# Altium PCB 8-8控制板.PcbDoc (part 2 of 5)
Units mm, origin at the board's own origin, x right, y up, seen from the top; angles counter-clockwise.
Board outline 201.71 x 160.33 mm, 2 copper layers (Top Layer, Bottom Layer); 240 components, 178 nets, 689 pads, 262 vias.
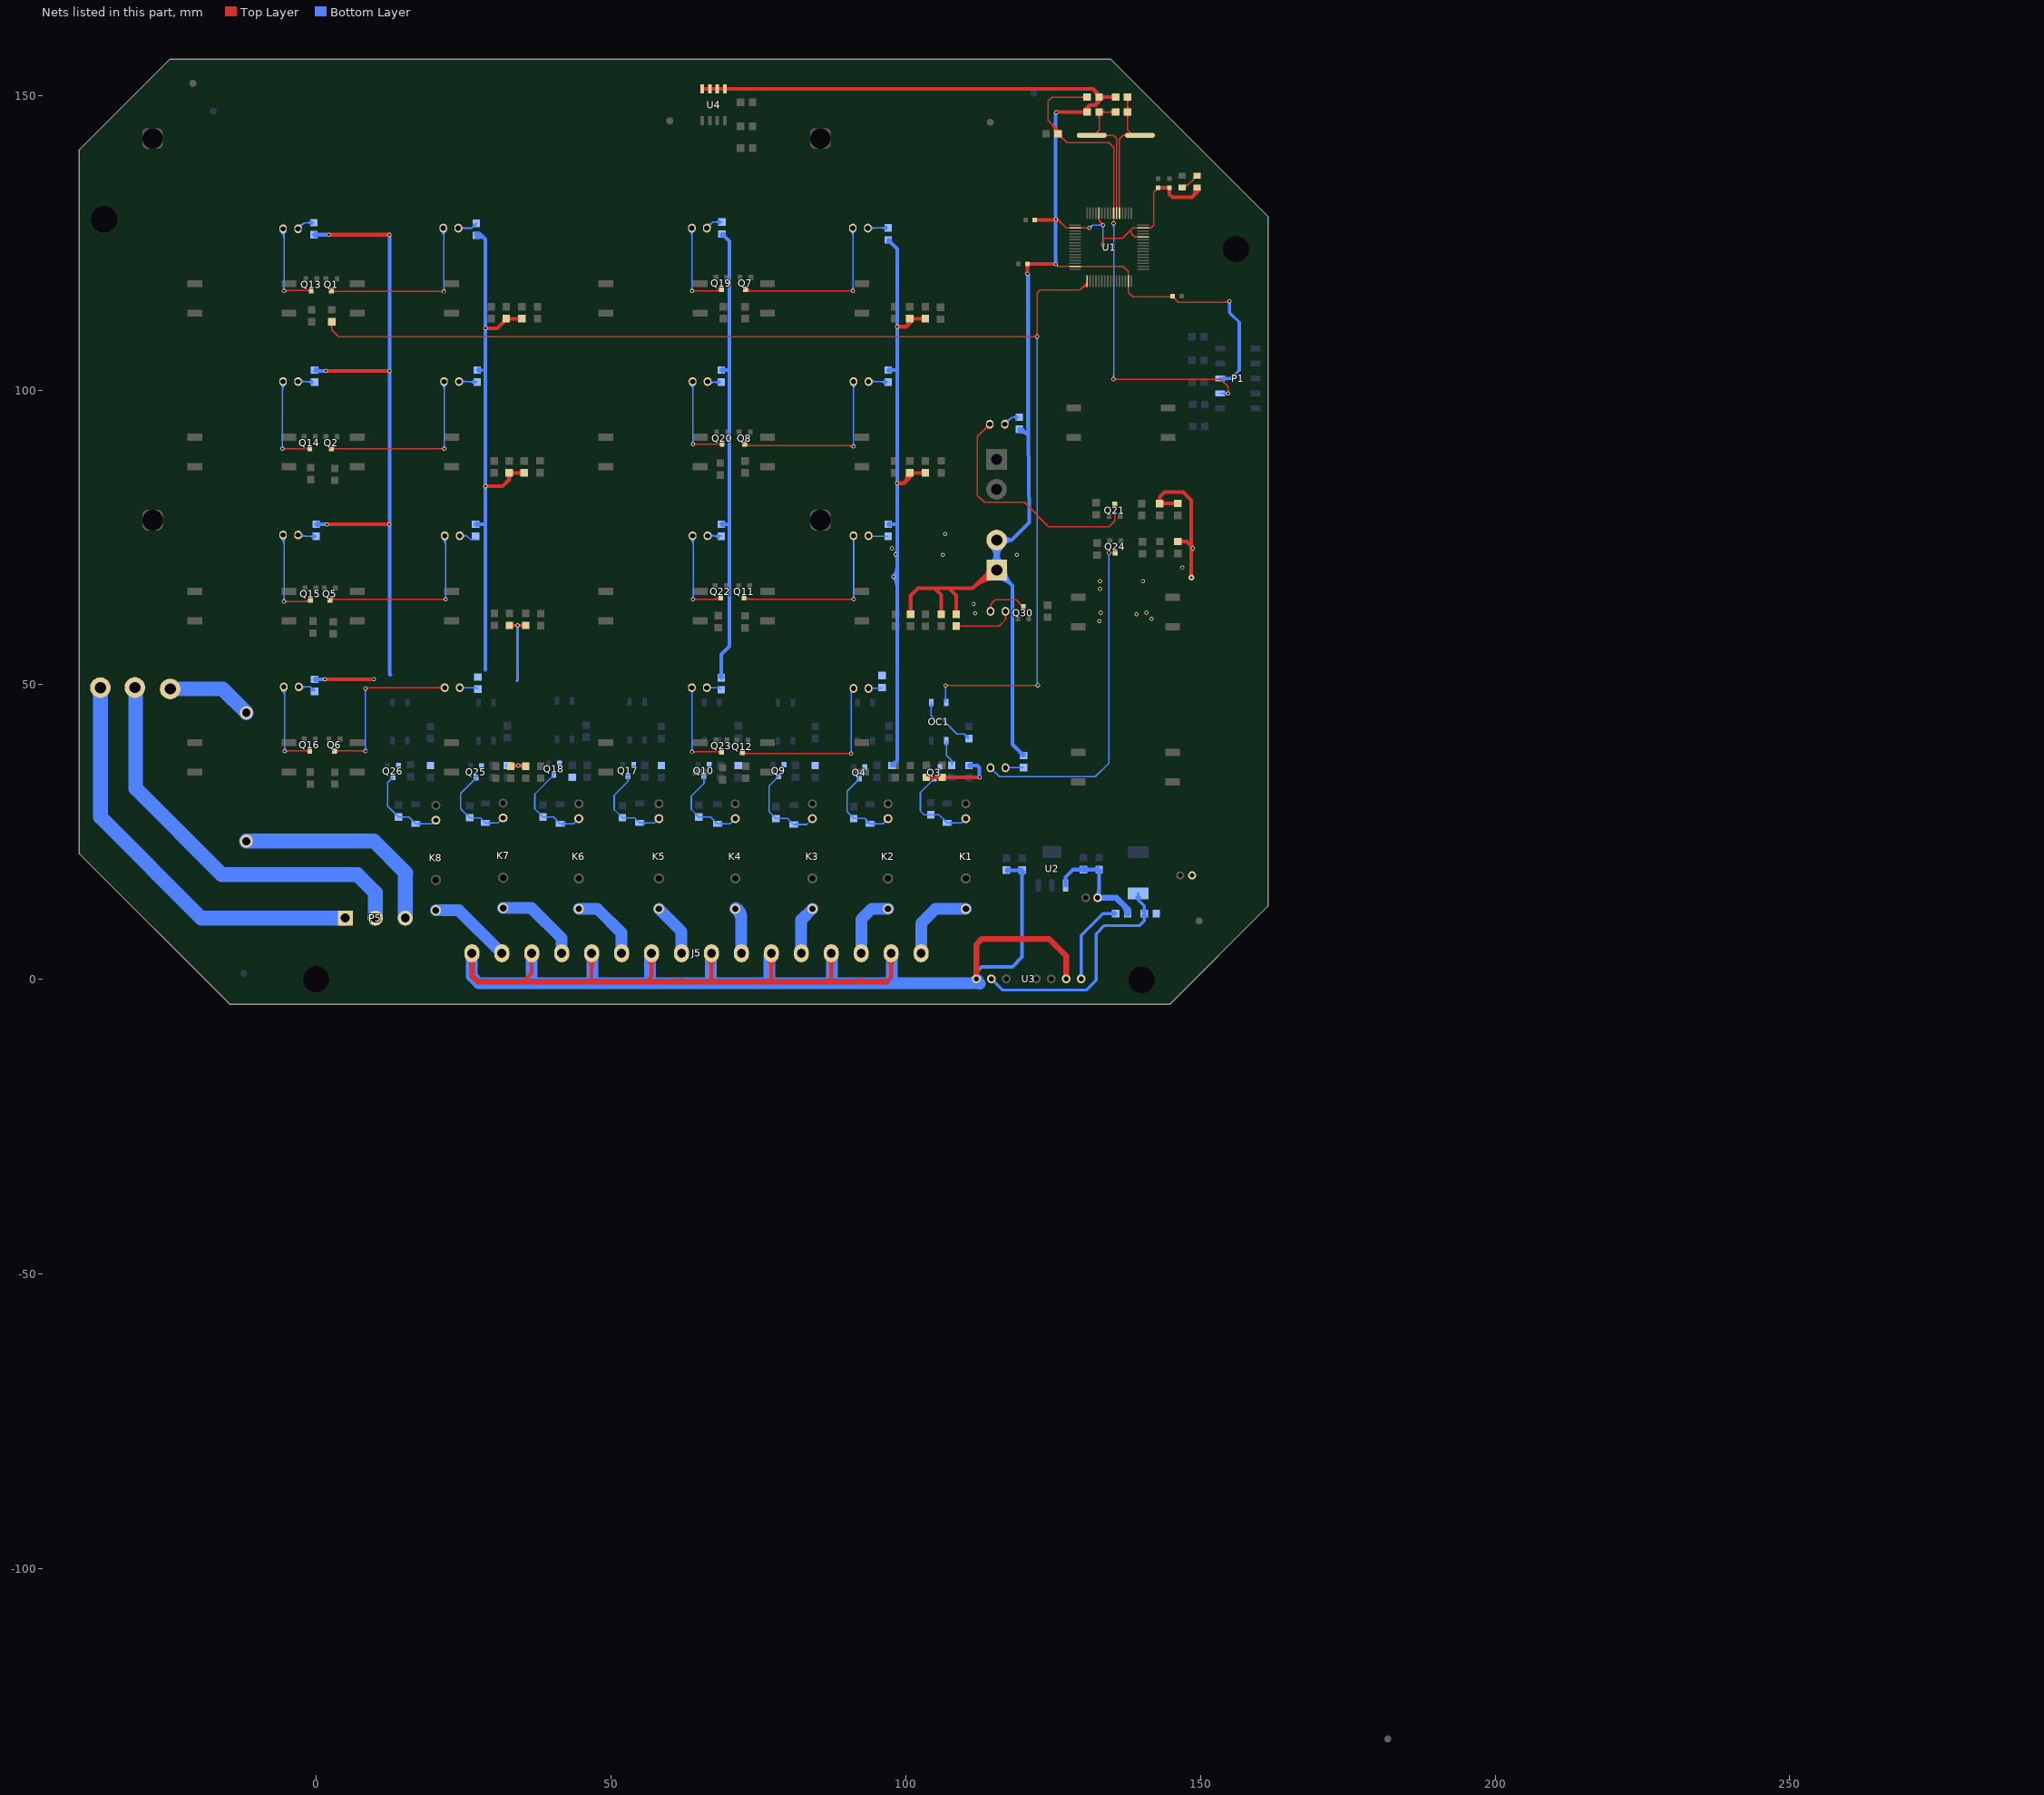
[diagram p2: the nets of this part, all layers, seen from the top]

## Via types
v1: diameter 0.7, hole 0.4, Top Layer to Bottom Layer, 242 vias
v2: diameter 0.7, hole 0.5, Top Layer to Bottom Layer, 18 vias
v3: diameter 1, hole 0.4, Top Layer to Bottom Layer, 2 vias

## Nets (pads, with @x,y where several pads share a name; then routed paths per layer and width w, separated by ;. In a path a pad name is that pad's centre, name@x,y a point inside that pad or via, vN(x,y) a via of type N, cw(c..) or ccw(c..) an arc to the next point about the centre after c; other vN are vias at no path point) (continued)
GND: C1.2 C2.2 C3.1 C4.2 C5.2 C6.2 C7.2 C8.2 C9.2 C10.2 C11.2 C12.2 C13.2 C14.1 C15.2 C16.1 D9.2 GND.1 GND.2 J5.2 J5.4 J5.6 J5.8 J5.10 J5.12 J5.14 J5.16 P1.8 Q3.1 Q4.1 Q9.1 Q10.1 Q17.1 Q18.1 Q25.1 Q26.1 R11.1 R12.1 R23.1 R24.1 R35.1 R36.1 R50.1 R51.1 R54.1 R55.1 R59.1 R60.1 R64.1 R65.1 R68.1 R69.1 R72.1 R73.1 R76.1 R77.1 R80.1 R81.1 R84.1 R85.1 R87.1 R96.1 R99.1 R101.2 R102.2 R103.2 R104.2 R105.2 R106.2 R107.2 R108.2 R109.2 R110.2 R111.2 R112.2 R113.2 R114.2 R115.2 R116.2 R117.2 R118.2 R119.2 U1.12 U1.18 U1.31 U1.47 U1.60 U1.63 U2.1 U3.1 U3.7 U4.1 U4.2 U4.3 U4.4 | length 1278.5
  Top Layer w0.203: v1(125.451,121.387) 125.84,120.998 ; v1@125.451,128.758 cw(c125.451,127.545) 126.308,128.403 ; v1@125.451,128.961 cw(c125.451,128.239) 125.961,128.75 ; v1@125.466,121.139 cw(c125.497,120.655) 125.84,120.998 ; v1@125.699,121.371 ccw(c126.182,121.34) 125.84,120.998 ; 125.832,128.88 127.214,127.498 U1.18@128.753,127.498 130.683,127.508 ; v1@130.995,127.355 ccw(c130.683,127.113) 130.683,127.508 ; v1@130.995,127.661 cw(c130.683,127.903) 130.683,127.508 ; v1(131.191,127.508) 130.683,127.508 ; U1.12@132.778,130.023 132.778,128.792 v1@133.452,128.118 ; 132.938,128.631 cw(c132.297,127.991) v1@133.203,127.991 ; 133.244,128.325 ccw(c133.452,128.532) v1@133.452,128.239 ; v1@133.276,124.864 ccw(c132.852,125.288) 133.452,125.288 ccw(c134.051,125.288) v1@133.627,124.864 ; v1(133.452,124.689) 133.452,125.451 133.731,125.73 136.779,125.73 138.278,127.229 ; U1.60@140.303,125.998 138.874,125.998 138.278,126.594 138.278,127.229 ; C4.2@142.57,134.341 cw(c141.896,134.341) 142.373,133.864 cw(c142.85,133.387) C4.2@142.85,134.061 ; C4.2@142.85,134.341 142.113,133.604 142.113,128.016 141.595,127.498 U1.63@140.303,127.498 138.547,127.498 138.278,127.229 ; 144.281,115.799 ccw(c144.281,116.907) C5.2@145.065,116.123 ; 144.772,115.799 ccw(c144.772,116.416) C5.2@145.209,115.979 ; C5.2@144.895,115.799 cw(c144.895,115.558) C5.2@145.065,115.728 ; C5.2@145.136,115.799 138.532,115.799 137.778,116.553 U1.47@137.778,118.473 137.778,120.109 136.889,120.998 U1.31@128.753,120.998 125.84,120.998 ; C5.2@145.263,115.646 cw(c145.263,114.972) 145.74,115.449 cw(c146.217,115.926) C5.2@145.542,115.926 ; C5.2@145.263,115.926 146.177,115.011 146.177,114.935 154.813,114.935 v1(154.94,115.062) ; 154.034,114.935 ccw(c154.034,115.968) v1@154.764,115.238 ; 154.524,114.935 ccw(c154.524,115.478) v1@154.908,115.094
  Top Layer w0.5: R76.1@32.766,60.071 v1(34.163,60.071) R59.1@35.56,60.071 ; R76.1@33.038,59.799 cw(c33.695,59.142) 33.695,60.071 cw(c33.695,61) R76.1@33.038,60.343 ; R59.1@35.288,59.799 ccw(c34.631,59.142) 34.631,60.071 ccw(c34.631,61) R59.1@35.288,60.343
  Top Layer w0.635: v1(1.524,50.927) v1(9.779,50.927) ; v1(1.651,103.251) v1(12.446,103.251) ; v1(1.778,77.216) v1(12.446,77.216) ; v1(2.159,126.365) v1(12.446,126.365) ; v1(28.702,83.693) 31.623,83.693 32.741,84.811 R73.1@32.741,85.954 R55.1@35.281,85.954 ; v1(28.702,110.49) 30.734,110.49 32.233,111.989 R54.1@32.233,112.116 R72.1@34.9,112.116 ; 31.601,111.357 ccw(c30.842,112.116) R54.1@31.915,112.116 ; R54.1@32.457,111.891 cw(c32.999,111.349) 32.999,112.116 cw(c32.999,112.882) R54.1@32.457,112.34 ; R73.1@32.516,85.729 cw(c31.974,85.187) 32.741,85.187 cw(c33.507,85.187) 32.965,85.729 cw(c33.507,85.187) 33.507,85.954 cw(c33.507,86.72) R73.1@32.965,86.178 ; R77.1@32.995,36.17 33.122,36.297 v1(34.29,36.297) 35.408,36.297 R60.1@35.535,36.17 ; R77.1@33.219,35.945 cw(c34.068,35.096) v1@34.068,36.297 ; v1@34.461,36.297 cw(c34.461,35.096) R60.1@35.31,35.945 ; R72.1@34.675,111.891 ccw(c34.133,111.349) 34.133,112.116 ccw(c34.133,112.882) R72.1@34.675,112.34 ; R55.1@35.056,85.729 ccw(c34.514,85.187) 34.514,85.954 ccw(c34.514,86.72) R55.1@35.056,86.178 ; 35.179,-0.381 36.576,1.016 J5.14@36.576,4.445 ; J5.12@46.062,3.517 cw(c44.436,1.891) 46.736,1.891 cw(c49.036,1.891) J5.12@47.41,3.517 ; 46.736,0 J5.12@46.736,4.445 ; 56.007,-0.381 56.896,0.508 J5.10@56.896,4.445 ; J5.10@56.222,3.517 cw(c54.596,1.891) 56.896,1.891 cw(c59.196,1.891) J5.10@57.57,3.517 ; U4.4@65.507,151.105 U4.3@66.777,151.105 U4.2@68.047,151.105 U4.1@69.317,151.105 131.801,151.105 132.817,150.089 C3.1@132.817,149.708 ; J5.8@66.382,3.517 cw(c64.756,1.891) 67.056,1.891 cw(c69.356,1.891) J5.8@67.73,3.517 ; 67.056,-0.127 J5.8@67.056,4.445 ; J5.6@76.542,3.517 cw(c74.916,1.891) 77.216,1.891 cw(c79.516,1.891) J5.6@77.89,3.517 ; 77.216,0 J5.6@77.216,4.445 ; J5.4@86.702,3.517 cw(c85.076,1.891) 87.376,1.891 cw(c89.676,1.891) J5.4@88.05,3.517 ; 86.868,-0.381 87.376,0.127 J5.4@87.376,4.445 ; 96.774,-0.381 97.536,0.381 J5.2@97.536,4.445 ; J5.2@96.862,3.517 cw(c95.236,1.891) 97.536,1.891 cw(c99.836,1.891) J5.2@98.21,3.517 ; v1(98.552,84.201) 99.695,84.201 ; v1(98.552,110.744) 100.076,110.744 ; R81.1@100.368,85.939 cw(c98.063,85.833) 99.695,84.201 ; R80.1@100.383,112.018 cw(c99.188,111.633) 100.076,110.744 ; R81.1@100.462,85.728 cw(c99.93,85.192) 100.686,85.192 ; R80.1@100.462,111.89 cw(c99.93,111.354) 100.686,111.354 ; R68.1@100.613,62.201 ccw(c100.071,62.743) 100.838,62.743 ccw(c101.605,62.743) R68.1@101.063,62.201 ; 100.712,85.218 ccw(c100.008,85.922) R81.1@101.003,85.968 ; 100.811,111.479 ccw(c100.298,111.991) R80.1@100.988,112.213 ; R68.1@100.838,61.976 100.838,65.151 102.083,66.396 104.902,66.396 ; R81.1@100.909,85.728 ccw(c101.441,85.192) 100.686,85.192 ; R80.1@100.909,111.89 ccw(c101.441,111.354) 100.686,111.354 ; R81.1@100.91,85.729 cw(c101.452,85.187) 101.452,85.954 cw(c101.452,86.72) R81.1@100.91,86.178 ; R80.1@100.91,111.891 cw(c101.452,111.349) 101.452,112.116 cw(c101.452,112.882) R80.1@100.91,112.34 ; R65.1@103.128,85.729 ccw(c102.586,85.187) 102.586,85.954 ccw(c102.586,86.72) R65.1@103.128,86.178 ; R64.1@103.128,111.891 ccw(c102.586,111.349) 102.586,112.116 ccw(c102.586,112.882) R64.1@103.128,112.34 ; R65.1@103.353,85.954 R81.1@100.686,85.954 100.686,85.192 ; R64.1@103.353,112.116 R80.1@100.686,112.116 100.686,111.354 ; R69.1@103.505,34.29 R85.1@106.172,34.29 v1(112.522,34.29) ; R69.1@103.73,34.065 cw(c104.272,33.523) 104.272,34.29 cw(c104.272,35.057) R69.1@103.73,34.515 ; R84.1@105.82,62.201 ccw(c105.278,62.743) 106.045,62.743 ccw(c106.812,62.743) R84.1@106.27,62.201 ; R85.1@105.947,34.065 ccw(c105.405,33.523) 105.405,34.29 ccw(c105.405,35.057) R85.1@105.947,34.515 ; R84.1@106.045,61.976 106.045,65.253 104.902,66.396 ; R85.1@106.397,34.065 cw(c106.939,33.523) 106.939,34.29 cw(c106.939,35.057) R85.1@106.397,34.515 ; R119.2@108.36,62.201 ccw(c107.818,62.743) 108.585,62.743 ccw(c109.352,62.743) R119.2@108.81,62.201 ; R119.2@108.585,61.976 108.585,65.126 107.315,66.396 ; 112.442,67.458 cw(c115.372,64.528) GND.1@115.432,68.672 ; 113.504,68.521 cw(c115.402,66.622) GND.1@115.441,69.307 ; GND.1@113.698,68.715 ccw(c112.944,69.469) GND.1@114.011,69.469 ; GND.1@115.422,68.037 ccw(c115.342,62.433) 111.379,66.396 ; GND.1@115.443,69.469 114.452,69.469 111.379,66.396 ; v1(120.65,119.761) C7.2@120.65,121.412 120.675,121.387 v1(125.451,121.387) ; C6.2@121.895,128.88 v1@125.451,128.88 ; 125.066,128.88 ccw(c125.066,129.392) v1@125.428,129.03 ; v1(125.451,129.007) v1@125.451,128.88 ; v1@125.474,129.029 ccw(c125.832,129.382) 125.832,128.88 v1@125.451,128.88 ; v1(125.578,147.168) C2.2@130.785,147.168 130.785,147.93 ; C2.2@130.56,146.943 ccw(c130.018,146.401) 130.018,147.168 ccw(c130.018,147.934) C2.2@130.56,147.392 ; C2.2@130.561,147.393 ccw(c130.029,147.93) 130.785,147.93 ; C2.2@131.008,147.393 cw(c131.54,147.93) 130.785,147.93 ; C2.2@131.059,147.327 cw(c131.781,147.746) 131.191,148.336 ; 132.005,150.9 cw(c130.813,149.708) C3.1@132.499,149.708 ; C3.1@132.513,149.614 cw(c131.334,149.248) 132.207,148.374 ; C3.1@132.602,149.474 cw(c132.15,148.984) 132.817,148.984 ; C3.1@133.032,149.474 ccw(c133.483,148.984) 132.817,148.984 ; C3.1@133.041,149.483 cw(c133.583,148.941) 133.583,149.708 cw(c133.583,150.474) C3.1@133.041,149.932 ; C1.2@135.386,149.483 ccw(c134.844,148.941) 134.844,149.708 ccw(c134.844,150.474) C1.2@135.386,149.932 ; C1.2@135.611,149.708 C3.1@132.817,149.708 ; C4.2@142.85,134.341 C8.2@144.755,134.341 144.755,133.198 145.263,132.69 148.565,132.69 ; R99.1@142.879,80.971 ccw(c142.337,81.513) 143.104,81.513 ccw(c143.87,81.513) 143.328,80.971 ccw(c143.809,81.452) 143.809,80.772 ; R99.1@143.328,80.522 cw(c143.931,79.919) 143.931,80.772 ; C5.2@145.136,115.799 C5.2@145.263,115.926 ; R87.1@145.952,80.547 ccw(c145.41,80.005) 145.41,80.772 ccw(c145.41,81.539) R87.1@145.952,80.997 ; R96.1@146.177,74.295 147.676,74.295 148.438,73.533 ; R87.1@146.177,80.772 143.129,80.772 R99.1@143.104,80.747 143.104,81.89 143.891,82.677 147.041,82.677 148.438,81.28 148.438,73.533 ; R96.1@146.402,74.07 cw(c146.944,73.528) 146.944,74.295 cw(c146.944,75.062) R96.1@146.402,74.52 ; 148.438,68.676 ccw(c148.965,68.676) v3@148.592,68.303 ; 148.438,72.399 cw(c149.47,72.399) v1@148.74,73.129 ; 148.438,73.905 ccw(c149.47,73.905) v1@148.74,73.175 ; v3(148.463,68.174) 148.438,68.199 148.438,73.533 ; D9.2@149.137,134.32 cw(c147.153,134.101) 148.565,132.69 ; D9.2@149.454,134.341 149.454,133.579 148.565,132.69 ; 149.5,133.625 ccw(c148.838,134.287) D9.2@149.768,134.389 ; 99.695,84.201 100.686,85.192 ; 100.076,110.744 100.686,111.354 ; 104.902,66.396 107.315,66.396 ; 107.315,66.396 111.379,66.396 ; 130.785,147.93 131.191,148.336 ; 131.191,148.336 131.907,148.336 131.945,148.374 132.207,148.374 ; 132.207,148.374 132.817,148.984 ; 132.817,148.984 C3.1@132.817,149.708 ; 148.438,73.533 ccw(c148.794,73.533) 148.723,73.184 cw(c148.794,73.533) 148.438,73.533
  Top Layer w1.016: J5.16@26.416,4.445 26.416,0.635 27.432,-0.381 35.179,-0.381 56.007,-0.381 62.103,-0.381 ; 61.976,-0.254 62.103,-0.381 ; 92.456,-0.254 92.583,-0.381 ; 96.774,-0.381 92.583,-0.381 ; U3.1@111.989,0.102 111.989,5.944 112.903,6.858 124.333,6.858 127.229,3.962 U3.7@127.229,0.102 ; 62.103,-0.381 86.868,-0.381 92.583,-0.381
  Bottom Layer w0.203: v1(131.191,127.508) 131.674,127.991 v1(133.452,127.991) ; v1@131.191,127.756 ccw(c131.191,128.356) 131.615,127.932 ccw(c132.039,127.508) v1@131.439,127.508 ; v1@133.276,127.815 ccw(c132.852,127.391) 132.852,127.991 ccw(c132.852,128.59) v1@133.276,128.166
  Bottom Layer w0.254: v1@133.294,124.846 ccw(c132.913,125.227) 133.452,125.227 ccw(c133.99,125.227) v1@133.609,124.846 ; v1@133.294,127.833 cw(c132.913,127.452) 133.452,127.452 cw(c133.99,127.452) v1@133.609,127.833 ; v1(133.452,124.689) v1(133.452,127.991)
  Bottom Layer w0.5: R109.2@27.305,103.378 28.702,103.378 ; R109.2@27.577,103.106 cw(c28.234,102.449) 28.234,103.378 cw(c28.234,104.307) R109.2@27.577,103.65 ; 34.036,50.673 34.163,50.8 v1(34.163,60.071) ; P1.8@153.385,101.981 155.194,101.981 156.591,103.378 ; P1.8@153.912,101.804 cw(c154.339,101.377) 154.339,101.981 cw(c154.339,102.585) P1.8@153.912,102.158 ; v1(154.94,115.062) 154.94,113.157 156.591,111.506
  Bottom Layer w0.6: 156.591,103.378 156.591,111.506
  Bottom Layer w0.635: R105.2@-0.381,126.365 v1(2.159,126.365) ; R114.2@-0.254,50.927 v1(1.524,50.927) ; R113.2@-0.254,103.251 v1(1.651,103.251) ; R105.2@-0.156,126.14 cw(c0.386,125.598) 0.386,126.365 cw(c0.386,127.132) R105.2@-0.156,126.59 ; R114.2@-0.029,50.702 cw(c0.513,50.16) 0.513,50.927 cw(c0.513,51.694) R114.2@-0.029,51.152 ; R113.2@-0.029,103.603 ccw(c0.819,104.451) 0.819,103.251 ; R106.2@0,77.216 v1(1.778,77.216) ; R106.2@0.225,76.991 cw(c0.767,76.449) 0.767,77.216 cw(c0.767,77.983) R106.2@0.225,77.441 ; v1(12.446,126.365) v1(12.446,103.251) v1(12.446,77.216) 12.446,51.816 12.573,51.689 ; R102.2@27.051,77.216 28.568,77.216 28.695,77.343 ; R101.2@27.077,126.539 cw(c27.357,125.707) 27.977,126.328 ; R102.2@27.276,76.991 cw(c27.818,76.449) 27.818,77.216 cw(c27.818,77.983) R102.2@27.276,77.441 ; R101.2@27.279,125.937 cw(c27.721,124.622) 28.702,125.603 ; R101.2@27.305,126.111 R101.2@27.178,126.238 28.067,126.238 28.702,125.603 ; R101.2@27.403,126.013 cw(c27.945,125.471) 27.945,126.238 cw(c27.945,127.005) R101.2@27.403,126.463 ; 28.702,52.578 28.702,63.735 28.695,63.742 28.695,77.343 ; R50.1@32.45,36.297 v1(34.29,36.297) ; R50.1@32.675,36.072 cw(c33.217,35.53) 33.217,36.297 cw(c33.217,37.063) R50.1@32.675,36.521 ; R116.2@68.482,51.406 ccw(c67.94,51.948) 68.707,51.948 ccw(c69.474,51.948) R116.2@68.932,51.406 ; R116.2@68.707,51.181 68.707,55.118 70.104,56.515 70.104,77.343 ; R108.2@68.707,77.216 69.977,77.216 70.104,77.343 ; R115.2@68.707,103.378 69.977,103.378 ; R107.2@68.834,126.174 cw(c68.834,125.408) 69.376,125.95 cw(c69.918,126.492) R107.2@69.151,126.492 ; R107.2@68.834,126.492 70.104,125.222 70.104,77.343 ; R108.2@68.932,76.991 cw(c69.474,76.449) 69.474,77.216 cw(c69.474,77.983) R108.2@68.932,77.441 ; R115.2@68.932,103.153 cw(c69.474,102.611) 69.474,103.378 cw(c69.474,104.145) R115.2@68.932,103.603 ; R104.2@97.028,77.216 98.552,77.216 ; R111.2@97.028,103.378 98.425,103.378 98.552,103.505 ; R103.2@97.028,125.158 cw(c97.028,124.392) 97.57,124.934 cw(c98.112,125.476) R103.2@97.346,125.476 ; R103.2@97.028,125.476 98.552,123.952 v1(98.552,110.744) 98.552,103.505 ; R104.2@97.253,76.991 cw(c97.795,76.449) 97.795,77.216 cw(c97.795,77.983) R104.2@97.253,77.441 ; R111.2@97.253,103.153 cw(c97.795,102.611) 97.795,103.378 cw(c97.795,104.145) R111.2@97.253,103.603 ; R12.1@97.674,36.297 98.552,37.175 98.552,77.216 ; R12.1@97.674,36.614 ccw(c97.674,37.381) 98.216,36.839 ccw(c98.758,36.297) R12.1@97.991,36.297 ; v1@97.894,68.303 cw(c96.306,66.715) 98.552,66.715 ; v1@97.894,68.349 ccw(c96.306,69.937) 98.552,69.937 ; v1@98.275,72.113 cw(c97.606,71.444) 98.552,71.444 ; v1@98.275,72.159 ccw(c97.606,72.828) 98.552,72.828 ; R11.1@110.719,36.297 112.166,36.297 112.522,35.941 v1(112.522,34.29) ; R11.1@110.943,36.072 cw(c111.485,35.53) 111.485,36.297 cw(c111.485,37.063) R11.1@110.943,36.521 ; U3.1@111.683,0.407 ccw(c110.946,1.144) 111.989,1.144 ccw(c113.031,1.144) U3.1@112.294,0.407 ; U3.1@111.989,0.102 111.989,1.245 112.878,2.134 118.085,2.134 119.761,3.81 C10.2@119.761,18.542 C9.2@117.094,18.542 ; GND.1@114.43,70.482 ccw(c111.985,72.927) 115.443,72.927 ccw(c118.901,72.927) GND.1@116.456,70.482 ; GND.2@114.43,73.536 cw(c111.985,71.091) 115.443,71.091 cw(c118.901,71.091) GND.2@116.456,73.536 ; GND.1@114.628,70.647 ccw(c113.854,71.766) 115.168,72.118 ; GND.1@114.727,70.71 ccw(c113.714,72.464) 115.67,71.939 ; GND.1@114.879,70.033 ccw(c113.518,71.394) 115.443,71.394 ccw(c117.368,71.394) GND.1@116.007,70.033 ; GND.2@114.879,73.985 cw(c113.518,72.624) 115.443,72.624 cw(c117.368,72.624) GND.2@116.007,73.985 ; GND.1@114.989,70.125 ccw(c114.399,70.978) 115.401,71.247 ; 115.216,71.939 ccw(c117.172,72.464) GND.1@116.159,70.71 ; GND.1@115.443,68.037 cw(c115.443,64.578) 117.888,67.024 cw(c120.334,69.469) GND.1@116.875,69.469 ; GND.1@115.443,68.672 cw(c115.443,66.746) 116.804,68.108 cw(c118.166,69.469) GND.1@116.24,69.469 ; 115.485,71.247 ccw(c116.487,70.978) GND.1@115.897,70.125 ; 115.718,72.118 ccw(c117.032,71.766) GND.1@116.258,70.647 ; GND.2@116.669,73.808 cw(c117.983,73.014) 117.983,74.549 ; GND.2@116.669,75.29 ccw(c117.983,76.084) 117.983,74.549 ; C9.2@117.319,18.317 cw(c117.861,17.775) 117.861,18.542 cw(c117.861,19.309) C9.2@117.319,18.767 ; R117.2@119.253,93.027 cw(c119.253,90.968) 120.709,92.424 ; R117.2@119.253,93.345 119.789,93.345 120.805,92.329 ; C10.2@119.536,18.767 cw(c118.994,19.309) 118.994,18.542 cw(c118.994,17.775) 119.536,18.317 cw(c118.994,17.775) 119.761,17.775 cw(c120.528,17.775) C10.2@119.986,18.317 ; R118.2@119.697,37.973 ccw(c118.931,37.973) 119.473,38.515 ccw(c120.015,39.057) R118.2@120.015,38.291 ; R118.2@120.015,37.973 118.112,39.876 118.112,66.8 GND.1@115.443,69.469 GND.2@115.443,74.549 117.983,74.549 ; v1@120.627,119.738 cw(c120.265,119.376) 120.777,119.376 ; v1(120.65,119.761) 120.777,119.634 120.777,94.488 120.805,92.329 ; 120.981,78.357 120.981,77.547 117.983,74.549 ; 120.982,78.357 120.805,92.329 ; v1(125.451,121.387) v1(125.451,129.007) 125.451,147.041 v1(125.578,147.168) ; 125.451,146.783 cw(c125.963,146.783) v1@125.601,147.145 ; U2.1@127.116,15.921 127.116,17.362 128.397,18.644 C11.2@130.15,18.644 C12.2@132.817,18.644 132.817,14.088 C15.2@132.572,13.843 ; C11.2@129.925,18.419 ccw(c129.383,17.877) 129.383,18.644 ccw(c129.383,19.41) C11.2@129.925,18.868 ; C11.2@130.374,18.419 cw(c130.916,17.877) 130.916,18.644 cw(c130.916,19.41) C11.2@130.374,18.868 ; C15.2@132.276,14.139 ccw(c130.97,15.445) 132.817,15.445 ; C12.2@132.592,18.868 cw(c132.05,19.41) 132.05,18.644 cw(c132.05,17.877) 132.592,18.419 cw(c132.05,17.877) 132.817,17.877 cw(c133.583,17.877) C12.2@133.041,18.419 ; 28.695,77.343 28.695,77.844 28.702,77.851 v1(28.702,83.693) 28.702,103.378 v1(28.702,110.49) 28.702,125.603 ; 98.552,77.216 v1(98.552,84.201) 98.552,103.505
  Bottom Layer w1.016: 111.252,-0.635 U3.1@111.989,0.102 ; C15.2@132.572,13.843 135.763,13.843 137.668,11.938 C16.1@137.668,11.176 ; 136.912,12.694 cw(c135.395,11.176) C16.1@137.541,11.176
  Bottom Layer w2: J5.16@26.416,4.445 26.416,0.508 27.559,-0.635 36.576,-0.635 ; J5.14@36.576,4.445 36.576,-0.635 ; J5.12@46.736,4.445 46.863,4.318 46.863,-0.635 ; 56.642,2.926 cw(c58.161,2.926) J5.10@57.087,4 ; J5.10@56.896,4.445 56.642,4.191 56.642,-0.635 ; J5.8@67.056,4.445 66.929,4.318 66.929,-0.635 ; 76.835,2.619 cw(c78.788,2.619) J5.6@77.407,4 ; J5.6@76.835,4.064 76.835,-0.635 ; J5.4@87.376,4.445 87.503,4.318 87.503,-0.635 ; J5.2@97.663,4.318 97.663,-0.635 ; 110.816,-0.635 ccw(c110.816,1.275) U3.1@112.166,-0.076 ; 111.252,-0.635 97.663,-0.635 ; U3.1@111.989,-0.635 112.504,-0.635 112.58,-0.711 ; 36.576,-0.635 46.863,-0.635 ; 46.863,-0.635 56.642,-0.635 ; 56.642,-0.635 66.929,-0.635 ; 66.929,-0.635 76.835,-0.635 ; 76.835,-0.635 87.503,-0.635 ; 87.503,-0.635 97.663,-0.635
  other v1: 132.842,60.833 141.732,61.214 139.192,61.976 111.76,62.103 133.096,62.23 140.843,62.23 111.506,63.754 132.969,66.294 132.969,67.564 140.208,67.564 97.917,68.326 146.939,69.85 106.299,72.009 118.872,72.009 98.298,72.136 97.663,73.152 148.717,73.152 106.68,75.565
NetC1_1: C1.1 R63.1 U1.5 X1.2 | length 34.1
  Top Layer w0.203: U1.5@136.278,130.023 136.278,142.628 136.881,143.231 ; R63.1@137.265,146.79 cw(c136.355,145.88) 137.643,145.88 cw(c138.93,145.88) R63.1@138.02,146.79 ; R63.1@137.265,147.545 ccw(c136.355,148.455) 137.643,148.455 ccw(c138.93,148.455) R63.1@138.02,147.545 ; C1.1@137.265,149.33 cw(c136.355,148.42) 137.643,148.42 cw(c138.93,148.42) C1.1@138.02,149.33 ; X1.2@137.397,143.016 ccw(c136.881,142.503) 136.881,143.231 ; X1.2@137.397,143.445 cw(c136.881,143.958) 136.881,143.231 ; R63.1@137.409,146.934 cw(c136.845,146.37) 137.643,146.37 cw(c138.44,146.37) R63.1@137.876,146.934 ; R63.1@137.409,147.401 ccw(c136.845,147.965) 137.643,147.965 ccw(c138.44,147.965) R63.1@137.876,147.401 ; C1.1@137.409,149.474 cw(c136.845,148.91) 137.643,148.91 cw(c138.44,148.91) C1.1@137.876,149.474 ; C1.1@137.643,149.708 R63.1@137.643,147.168 137.643,144.12 X1.2@138.532,143.231 ; X1.2@139.747,143.231 X1.2@138.532,143.231 ; 136.881,143.231 X1.2@138.532,143.231
NetC2_1: C2.1 R63.2 U1.6 X1.1 | length 35.2
  Top Layer w0.203: X1.1@131.547,143.231 X1.1@131.928,143.231 ; C2.1@132.439,146.79 cw(c131.529,145.88) 132.817,145.88 cw(c134.104,145.88) 133.194,146.79 cw(c134.104,145.88) 134.104,147.168 cw(c134.104,148.455) C2.1@133.194,147.545 ; C2.1@132.583,146.934 cw(c132.019,146.37) 132.817,146.37 cw(c133.614,146.37) 133.05,146.934 cw(c133.614,146.37) 133.614,147.168 cw(c133.614,147.965) C2.1@133.05,147.401 ; X1.1@133.896,143.015 cw(c134.416,142.495) 134.416,143.231 cw(c134.416,143.966) X1.1@133.896,143.446 ; R63.2@135.233,146.79 ccw(c134.323,145.88) 134.323,147.168 ccw(c134.323,148.455) R63.2@135.233,147.545 ; R63.2@135.377,146.934 ccw(c134.813,146.37) 134.813,147.168 ccw(c134.813,147.965) R63.2@135.377,147.401 ; R63.2@135.611,147.168 C2.1@132.817,147.168 132.817,144.12 X1.1@131.928,143.231 ; U1.6@135.778,130.023 135.778,142.683 135.23,143.231 X1.1@131.928,143.231
NetC3_2: C3.2 P1.7 R58.1 U1.7 | length 106.8
  Top Layer w0.203: 124.472,145.479 cw(c122.477,143.485) R58.1@125.298,143.485 ; 124.819,145.132 cw(c123.171,143.485) R58.1@125.501,143.485 ; 125.166,144.785 cw(c123.865,143.485) R58.1@125.705,143.485 ; 125.513,144.439 cw(c124.559,143.485) R58.1@125.908,143.485 ; R58.1@125.832,142.951 cw(c125.832,141.663) 126.742,142.574 cw(c127.653,143.485) R58.1@126.365,143.485 ; R58.1@125.832,143.154 cw(c125.832,142.357) 126.395,142.921 cw(c126.959,143.485) R58.1@126.162,143.485 ; C3.2@130.407,149.33 ccw(c129.497,148.42) 129.497,149.708 ccw(c129.497,150.995) C3.2@130.407,150.085 ; C3.2@130.551,149.474 ccw(c129.987,148.91) 129.987,149.708 ccw(c129.987,150.505) C3.2@130.551,149.941 ; C3.2@130.785,149.708 124.816,149.708 124.181,149.073 124.181,145.771 125.832,144.12 R58.1@125.832,143.485 127.356,141.961 134.468,141.961 135.278,141.151 U1.7@135.278,130.023 v1(135.278,128.282) ; v1@135.102,128.458 ccw(c134.678,128.882) 135.278,128.882 ccw(c135.877,128.882) v1@135.453,128.458 ; v1(135.255,101.854) 153.416,101.854 154.686,100.584 v1(154.686,99.441) ; v1@135.431,101.678 cw(c135.855,101.254) 135.855,101.854 cw(c135.855,102.454) v1@135.431,102.03 ; v1@154.51,99.617 ccw(c154.086,100.041) 154.686,100.041 ccw(c155.286,100.041) v1@154.862,99.617